# Altium PCB XTIDA-010086.PcbDoc (part 13 of 17) (continued)
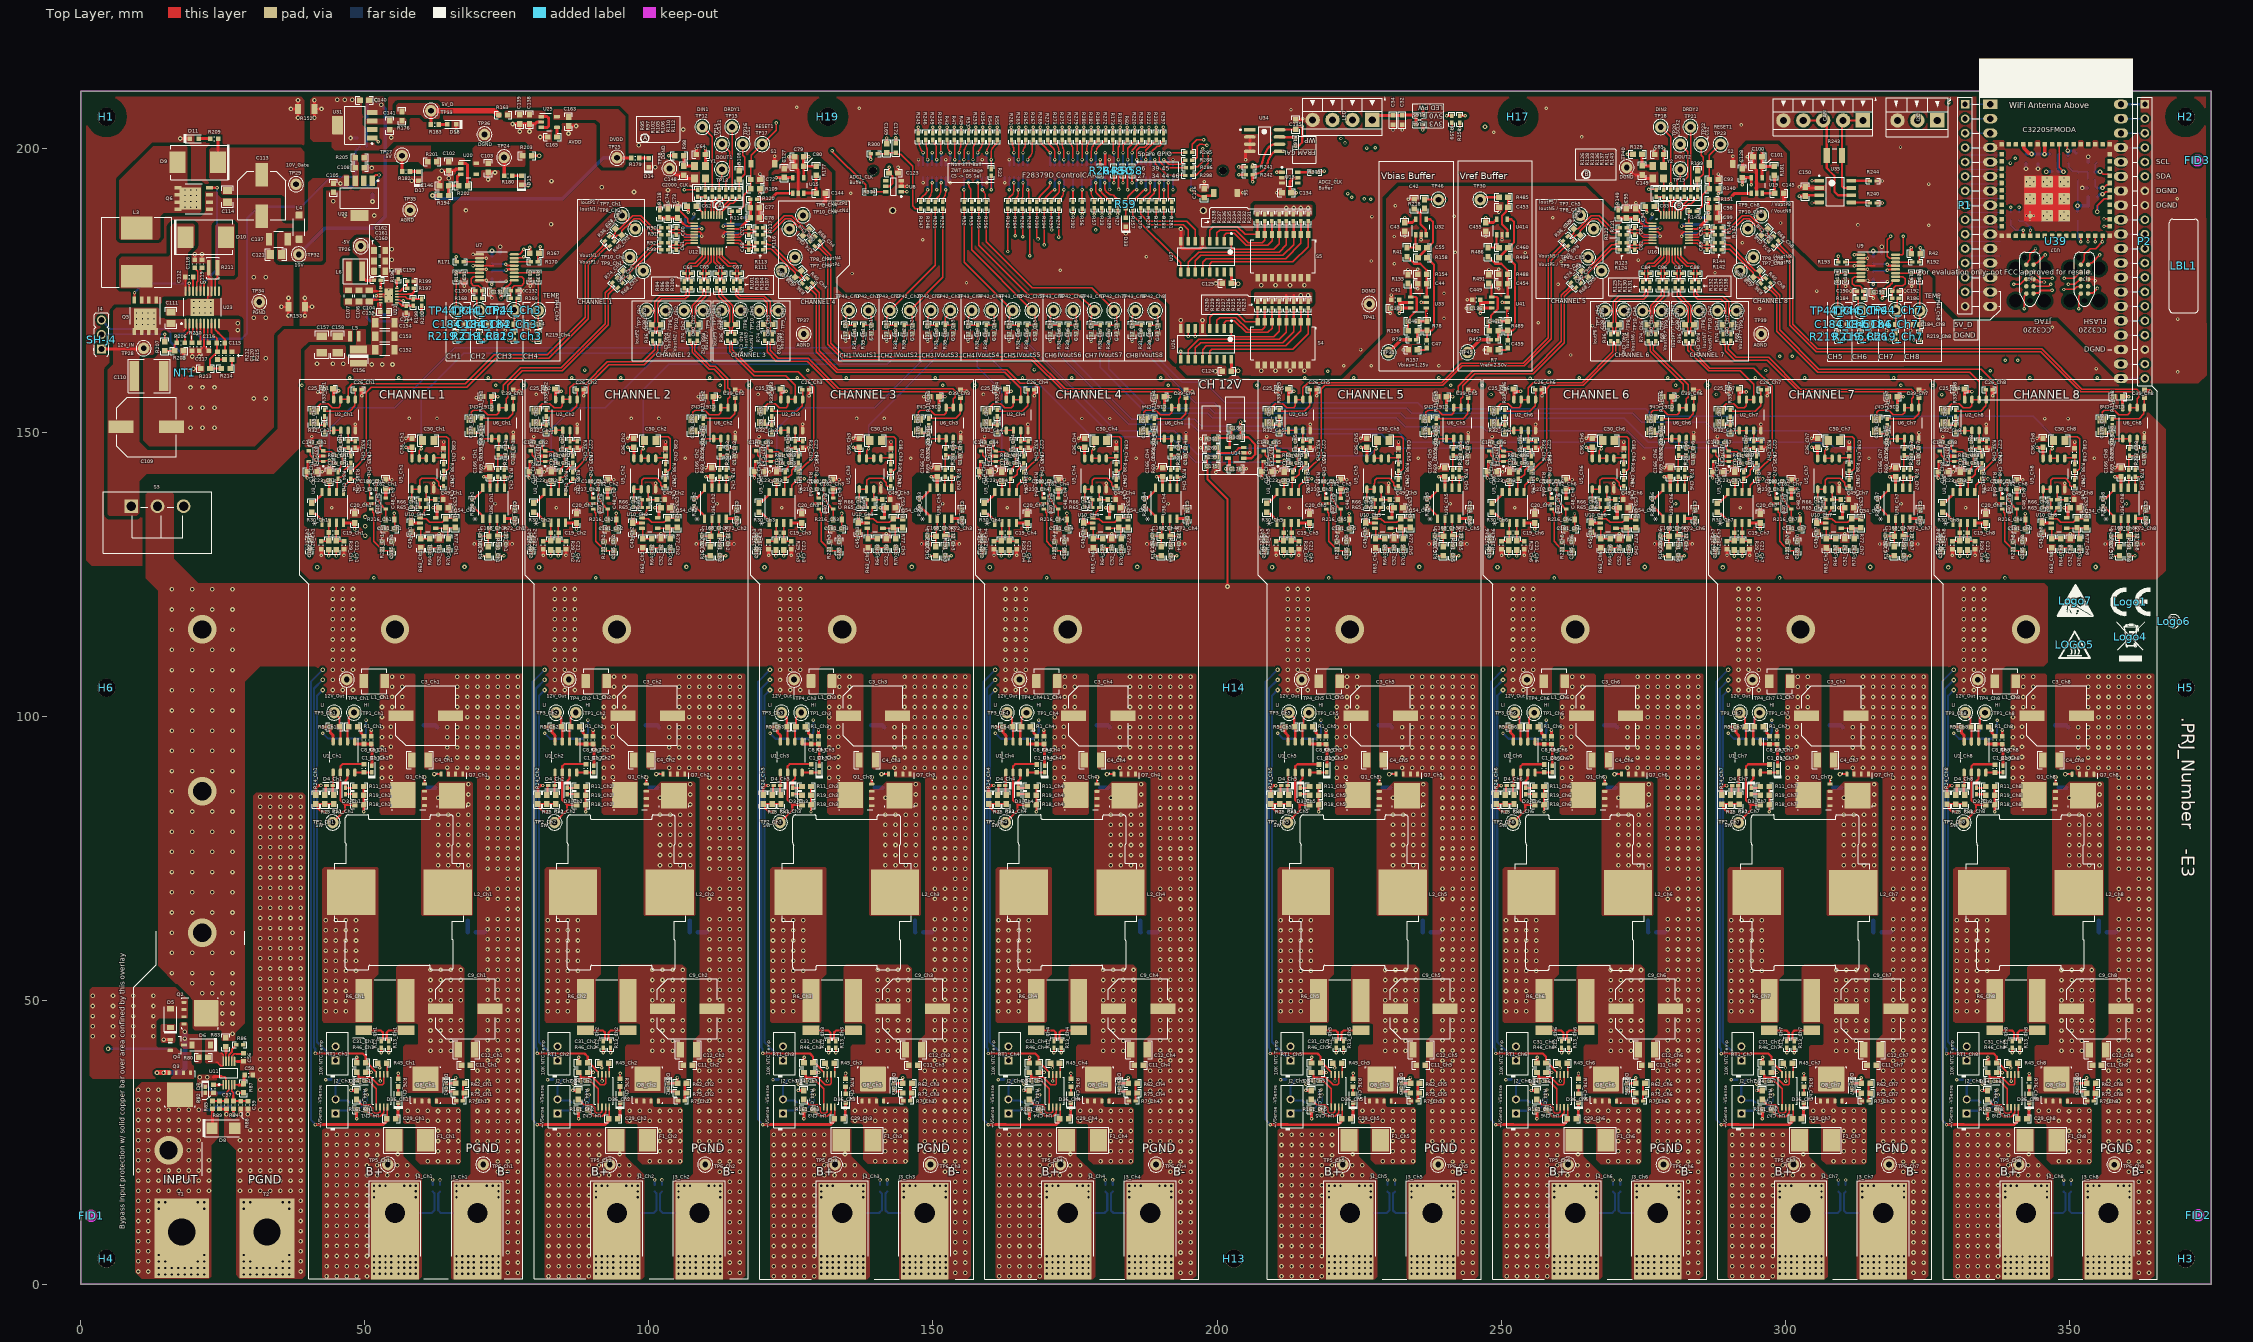
[diagram p0: Top Layer view]
## Nets (pads, with @x,y where several pads share a name; then routed paths per layer and width w, separated by ;. In a path a pad name is that pad's centre, name@x,y a point inside that pad or via, vN(x,y) a via of type N, cw(c..) or ccw(c..) an arc to the next point about the centre after c; other vN are vias at no path point) (continued)
NetR34_Ch4_1: R34_Ch4.1 R35_Ch4.1 U3_Ch4.6 | length 6.5
  Top Layer w0.254: U3_Ch4.6@163.408,139.453 163.549,139.594 163.549,141.482 163.689,141.623 R34_Ch4.1@163.689,141.855 ; R34_Ch4.1@163.689,141.755 R34_Ch4.1@163.689,141.855 ; R35_Ch4.1@165.944,144.547 165.835,144.437 165.835,144.337 164.808,143.31 164.808,142.608 164.228,142.028 163.862,142.028 R34_Ch4.1@163.689,141.855
NetR34_Ch5_1: R34_Ch5.1 R35_Ch5.1 U3_Ch5.6 | length 6.5
  Top Layer w0.254: U3_Ch5.6@213.083,139.451 213.223,139.592 213.223,141.48 213.364,141.621 R34_Ch5.1@213.364,141.853 ; R34_Ch5.1@213.364,141.753 R34_Ch5.1@213.364,141.853 ; R35_Ch5.1@215.619,144.545 215.51,144.435 215.51,144.335 214.483,143.308 214.483,142.606 213.903,142.026 213.537,142.026 R34_Ch5.1@213.364,141.853
NetR34_Ch6_1: R34_Ch6.1 R35_Ch6.1 U3_Ch6.6 | length 6.5
  Top Layer w0.254: U3_Ch6.6@252.758,139.449 252.898,139.59 252.898,141.478 253.039,141.619 R34_Ch6.1@253.039,141.851 ; R34_Ch6.1@253.039,141.751 R34_Ch6.1@253.039,141.851 ; R35_Ch6.1@255.294,144.543 255.185,144.433 255.185,144.333 254.158,143.306 254.158,142.604 253.578,142.024 253.212,142.024 R34_Ch6.1@253.039,141.851
NetR34_Ch7_1: R34_Ch7.1 R35_Ch7.1 U3_Ch7.6 | length 6.5
  Top Layer w0.254: U3_Ch7.6@292.433,139.447 292.573,139.588 292.573,141.476 292.713,141.617 R34_Ch7.1@292.713,141.849 ; R34_Ch7.1@292.713,141.749 R34_Ch7.1@292.713,141.849 ; R35_Ch7.1@294.969,144.541 294.859,144.431 294.859,144.331 293.832,143.304 293.832,142.602 293.252,142.022 292.886,142.022 R34_Ch7.1@292.713,141.849
NetR34_Ch8_1: R34_Ch8.1 R35_Ch8.1 U3_Ch8.6 | length 6.5
  Top Layer w0.254: U3_Ch8.6@332.108,139.445 332.248,139.586 332.248,141.474 332.388,141.615 R34_Ch8.1@332.388,141.847 ; R34_Ch8.1@332.388,141.747 R34_Ch8.1@332.388,141.847 ; R35_Ch8.1@334.644,144.539 334.534,144.429 334.534,144.329 333.507,143.302 333.507,142.6 332.927,142.02 332.561,142.02 R34_Ch8.1@332.388,141.847
NetR40_Ch1_2: R40_Ch1.2 R185_Ch1.1 | length 74.3
  Top Layer w0.254: R185_Ch1.1@47.53,142.961 47.53,143.061 47.911,143.442 48.011,143.442 50.267,145.698 50.267,157.042 51.136,157.912 67.92,157.912 73.025,163.017 82.377,163.017 89.332,169.972 89.332,179.438 92.257,182.364 92.45,182.364 92.835,182.748 R40_Ch1.2@93.079,182.748
NetR40_Ch2_2: R40_Ch2.2 R185_Ch2.1 | length 33.1
  Top Layer w0.254: R185_Ch2.1@86.595,142.959 86.595,143.059 86.976,143.44 87.076,143.44 89.332,145.696 89.332,158.203 92.953,161.823 99.136,161.823 101.525,164.212 101.525,165.172 101.7,165.347 101.7,165.852 R40_Ch2.2@101.873,166.025
NetR40_Ch3_2: R40_Ch3.2 R185_Ch3.1 | length 34.8
  Top Layer w0.254: R40_Ch3.2@115.078,166.025 114.709,165.657 114.709,164.455 118.577,160.586 126.282,160.586 129.007,157.862 129.007,145.694 126.751,143.438 126.651,143.438 126.27,143.057 R185_Ch3.1@126.27,142.957
NetR40_Ch4_2: R40_Ch4.2 R185_Ch4.1 | length 69.9
  Top Layer w0.254: R40_Ch4.2@128.733,176.239 128.733,175.995 129.097,175.631 129.097,175.396 129.94,174.553 129.94,164.344 133.274,161.01 163.002,161.01 165.39,158.623 167.858,158.623 168.681,157.799 168.681,145.692 166.425,143.436 166.325,143.436 165.944,143.055 R185_Ch4.1@165.944,142.955
NetR40_Ch5_2: R40_Ch5.2 R185_Ch5.1 | length 77.8
  Top Layer w0.254: R185_Ch5.1@215.619,142.953 215.619,143.053 216,143.434 216.1,143.434 218.356,145.69 218.356,157.65 218.923,158.217 239.72,158.217 243.175,161.671 254.109,161.671 258.851,166.413 258.851,180.27 260.947,182.365 261.139,182.365 261.514,182.74 R40_Ch5.2@261.778,182.74
NetR40_Ch6_2: R40_Ch6.2 R185_Ch6.1 | length 32.9
  Top Layer w0.254: R185_Ch6.1@255.294,142.951 255.294,143.051 255.675,143.432 255.775,143.432 258.031,145.688 258.031,157.648 258.597,158.215 264.491,158.215 270.204,163.928 270.204,165.649 R40_Ch6.2@270.572,166.017
NetR40_Ch7_2: R40_Ch7.2 R185_Ch7.1 | length 34.9
  Top Layer w0.254: R40_Ch7.2@283.777,166.017 283.604,165.844 283.604,165.36 283.408,165.164 283.408,164.628 286.769,161.268 294.517,161.268 297.706,158.079 297.706,145.686 295.45,143.43 295.35,143.43 294.969,143.049 R185_Ch7.1@294.969,142.949
NetR40_Ch8_2: R40_Ch8.2 R185_Ch8.1 | length 67.8
  Top Layer w0.254: R40_Ch8.2@297.432,176.231 297.432,175.987 297.775,175.644 297.775,175.368 299.034,174.109 299.034,167.984 305.931,161.087 320.848,161.087 320.853,161.082 334.506,161.082 337.381,158.207 337.381,145.684 335.125,143.428 335.025,143.428 334.644,143.047 R185_Ch8.1@334.644,142.947
NetR44_Ch1_1: R44_Ch1.1 U4_Ch1.2 | length 6.5
  Top Layer w0.254: R44_Ch1.1@48.523,32.505 48.541,32.505 49.446,31.6 50.869,31.6 51.384,31.085 51.384,30.389 51.713,30.06 52.353,30.06 52.668,30.375 U4_Ch1.2@52.668,31.186
NetR44_Ch2_1: R44_Ch2.1 U4_Ch2.2 | length 6.5
  Top Layer w0.254: R44_Ch2.1@87.588,32.503 87.606,32.503 88.512,31.598 89.934,31.598 90.449,31.083 90.449,30.387 90.779,30.058 91.418,30.058 91.733,30.373 U4_Ch2.2@91.733,31.184
NetR44_Ch3_1: R44_Ch3.1 U4_Ch3.2 | length 6.5
  Top Layer w0.254: R44_Ch3.1@127.263,32.501 127.281,32.501 128.186,31.596 129.609,31.596 130.124,31.081 130.124,30.385 130.453,30.056 131.093,30.056 131.408,30.371 U4_Ch3.2@131.408,31.182
NetR44_Ch4_1: R44_Ch4.1 U4_Ch4.2 | length 6.5
  Top Layer w0.254: R44_Ch4.1@166.938,32.499 166.956,32.499 167.861,31.594 169.284,31.594 169.799,31.079 169.799,30.383 170.128,30.054 170.768,30.054 171.083,30.369 U4_Ch4.2@171.083,31.18
NetR44_Ch5_1: R44_Ch5.1 U4_Ch5.2 | length 6.5
  Top Layer w0.254: R44_Ch5.1@216.612,32.497 216.63,32.497 217.536,31.592 218.959,31.592 219.474,31.077 219.474,30.381 219.803,30.052 220.442,30.052 220.757,30.367 U4_Ch5.2@220.757,31.178
NetR44_Ch6_1: R44_Ch6.1 U4_Ch6.2 | length 6.5
  Top Layer w0.254: R44_Ch6.1@256.287,32.495 256.305,32.495 257.211,31.59 258.633,31.59 259.149,31.075 259.149,30.379 259.478,30.05 260.117,30.05 260.432,30.365 U4_Ch6.2@260.432,31.176
NetR44_Ch7_1: R44_Ch7.1 U4_Ch7.2 | length 6.5
  Top Layer w0.254: R44_Ch7.1@295.962,32.493 295.98,32.493 296.886,31.588 298.308,31.588 298.823,31.073 298.823,30.377 299.153,30.048 299.792,30.048 300.107,30.363 U4_Ch7.2@300.107,31.174
NetR44_Ch8_1: R44_Ch8.1 U4_Ch8.2 | length 6.5
  Top Layer w0.254: R44_Ch8.1@335.637,32.491 335.655,32.491 336.56,31.586 337.983,31.586 338.498,31.071 338.498,30.375 338.827,30.046 339.467,30.046 339.782,30.361 U4_Ch8.2@339.782,31.172
NetR45_Ch1_1: R45_Ch1.1 U4_Ch1.5 | length 2
  Top Layer w0.254: R45_Ch1.1@53.861,38.923 53.968,38.815 U4_Ch1.5@53.968,36.927
NetR45_Ch2_1: R45_Ch2.1 U4_Ch2.5 | length 2
  Top Layer w0.254: R45_Ch2.1@92.926,38.921 93.033,38.813 U4_Ch2.5@93.033,36.925
NetR45_Ch3_1: R45_Ch3.1 U4_Ch3.5 | length 2
  Top Layer w0.254: R45_Ch3.1@132.601,38.919 132.708,38.811 U4_Ch3.5@132.708,36.923
NetR45_Ch4_1: R45_Ch4.1 U4_Ch4.5 | length 2
  Top Layer w0.254: R45_Ch4.1@172.275,38.917 172.383,38.809 U4_Ch4.5@172.383,36.921
NetR45_Ch5_1: R45_Ch5.1 U4_Ch5.5 | length 2
  Top Layer w0.254: R45_Ch5.1@221.95,38.915 222.057,38.807 U4_Ch5.5@222.057,36.919
NetR45_Ch6_1: R45_Ch6.1 U4_Ch6.5 | length 2
  Top Layer w0.254: R45_Ch6.1@261.625,38.913 261.732,38.805 U4_Ch6.5@261.732,36.917
NetR45_Ch7_1: R45_Ch7.1 U4_Ch7.5 | length 2
  Top Layer w0.254: R45_Ch7.1@301.3,38.911 301.407,38.803 U4_Ch7.5@301.407,36.915
NetR45_Ch8_1: R45_Ch8.1 U4_Ch8.5 | length 2
  Top Layer w0.254: R45_Ch8.1@340.975,38.909 341.082,38.801 U4_Ch8.5@341.082,36.913
NetR63_Ch1_1: R63_Ch1.1 R64_Ch1.2 U10_Ch1.3 | length 3.5
  Top Layer w0.254: U10_Ch1.3@59.712,133.046 59.817,132.941 R63_Ch1.1@59.817,131.209 R64_Ch1.2@61.443,131.209
NetR63_Ch2_1: R63_Ch2.1 R64_Ch2.2 U10_Ch2.3 | length 3.5
  Top Layer w0.254: U10_Ch2.3@98.777,133.044 98.882,132.939 R63_Ch2.1@98.882,131.207 R64_Ch2.2@100.508,131.207
NetR63_Ch3_1: R63_Ch3.1 R64_Ch3.2 U10_Ch3.3 | length 3.5
  Top Layer w0.254: U10_Ch3.3@138.452,133.042 138.557,132.937 R63_Ch3.1@138.557,131.205 R64_Ch3.2@140.183,131.205
NetR63_Ch4_1: R63_Ch4.1 R64_Ch4.2 U10_Ch4.3 | length 3.5
  Top Layer w0.254: U10_Ch4.3@178.127,133.04 178.232,132.935 R63_Ch4.1@178.232,131.203 R64_Ch4.2@179.857,131.203
NetR63_Ch5_1: R63_Ch5.1 R64_Ch5.2 U10_Ch5.3 | length 3.5
  Top Layer w0.254: U10_Ch5.3@227.802,133.038 227.907,132.933 R63_Ch5.1@227.907,131.201 R64_Ch5.2@229.532,131.201
NetR63_Ch6_1: R63_Ch6.1 R64_Ch6.2 U10_Ch6.3 | length 3.5
  Top Layer w0.254: U10_Ch6.3@267.476,133.036 267.581,132.931 R63_Ch6.1@267.581,131.199 R64_Ch6.2@269.207,131.199
NetR63_Ch7_1: R63_Ch7.1 R64_Ch7.2 U10_Ch7.3 | length 3.5
  Top Layer w0.254: U10_Ch7.3@307.151,133.034 307.256,132.929 R63_Ch7.1@307.256,131.197 R64_Ch7.2@308.882,131.197
NetR63_Ch8_1: R63_Ch8.1 R64_Ch8.2 U10_Ch8.3 | length 3.5
  Top Layer w0.254: U10_Ch8.3@346.826,133.032 346.931,132.927 R63_Ch8.1@346.931,131.195 R64_Ch8.2@348.557,131.195
NetR69_Ch1_1: R69_Ch1.1 U36_Ch1.6 | length 2
  Top Layer w0.254: U36_Ch1.6@73.285,140.208 73.35,140.273 73.35,142.073 R69_Ch1.1@73.415,142.138
NetR69_Ch2_1: R69_Ch2.1 U36_Ch2.6 | length 2
  Top Layer w0.254: U36_Ch2.6@112.35,140.206 112.415,140.271 112.415,142.071 R69_Ch2.1@112.48,142.136
NetR69_Ch3_1: R69_Ch3.1 U36_Ch3.6 | length 2
  Top Layer w0.254: U36_Ch3.6@152.025,140.204 152.09,140.269 152.09,142.069 R69_Ch3.1@152.155,142.134
NetR69_Ch4_1: R69_Ch4.1 U36_Ch4.6 | length 2
  Top Layer w0.254: U36_Ch4.6@191.7,140.202 191.765,140.267 191.765,142.067 R69_Ch4.1@191.83,142.132
NetR69_Ch5_1: R69_Ch5.1 U36_Ch5.6 | length 2
  Top Layer w0.254: U36_Ch5.6@241.374,140.2 241.439,140.265 241.439,142.065 R69_Ch5.1@241.504,142.13
NetR69_Ch6_1: R69_Ch6.1 U36_Ch6.6 | length 2
  Top Layer w0.254: U36_Ch6.6@281.049,140.198 281.114,140.263 281.114,142.063 R69_Ch6.1@281.179,142.128
NetR69_Ch7_1: R69_Ch7.1 U36_Ch7.6 | length 2
  Top Layer w0.254: U36_Ch7.6@320.724,140.196 320.789,140.261 320.789,142.061 R69_Ch7.1@320.854,142.126
NetR69_Ch8_1: R69_Ch8.1 U36_Ch8.6 | length 2
  Top Layer w0.254: U36_Ch8.6@360.399,140.194 360.464,140.259 360.464,142.059 R69_Ch8.1@360.529,142.124
NetR73_Ch1_1: R73_Ch1.1 R74_Ch1.2 | length 45.3
  Top Layer w0.254: v2(74.295,157.074) 74.314,157.092 74.314,158.231 77.422,161.339 84.598,161.339 92.325,169.066 92.325,174.492 93.25,175.418 93.25,175.72 93.58,176.05 R74_Ch1.2@93.58,176.295 ; R73_Ch1.1@74.555,143.338 v2(74.555,144.404)
  Signal Layer 2 w0.254: v2(74.295,157.074) 74.555,156.814 v2(74.555,144.404)
NetR73_Ch2_1: R73_Ch2.1 R74_Ch2.2 | length 25.9
  Top Layer w0.254: R74_Ch2.2@107.203,166.05 107.376,165.877 107.376,165.408 107.587,165.197 107.587,164.046 110.597,161.036 111.464,161.036 113.36,159.14 v2(113.36,157.072) ; R73_Ch2.1@113.62,143.336 v2(113.62,144.402)
  Signal Layer 2 w0.254: v2(113.36,157.072) 113.62,156.812 v2(113.62,144.402)
NetR73_Ch3_1: R73_Ch3.1 R74_Ch3.2 | length 51.3
  Top Layer w0.254: R74_Ch3.2@120.428,166.026 120.814,165.639 120.814,164.098 122.454,162.458 127.839,162.458 133.228,157.07 152.425,157.07 ; 152.428,157.067 152.967,157.067 153.035,156.999 v2(153.035,156.796) ; R73_Ch3.1@153.295,143.334 v2(153.295,144.4)
  Signal Layer 2 w0.254: v2@153.035,157.07 153.295,156.81 v2(153.295,144.4)
NetR73_Ch4_1: R73_Ch4.1 R74_Ch4.2 | length 97.1
  Top Layer w0.254: R74_Ch4.2@129.213,182.728 129.458,182.728 129.846,182.34 130.075,182.34 131.49,180.925 131.49,165.45 134.192,162.748 167.391,162.748 173.071,157.068 192.1,157.068 192.103,157.065 192.642,157.065 192.71,156.997 v2(192.71,156.794) ; R73_Ch4.1@192.97,143.332 v2(192.97,144.398)
  Signal Layer 2 w0.254: v2(192.71,156.794) 192.912,156.794 192.97,156.737 v2(192.97,144.398)
NetR73_Ch5_1: R73_Ch5.1 R74_Ch5.2 | length 47.4
  Top Layer w0.254: v2(242.385,157.066) 242.432,157.113 242.432,158.083 245.147,160.799 255.468,160.799 260.631,165.961 260.631,174.063 261.964,175.396 261.964,175.727 262.279,176.042 R74_Ch5.2@262.279,176.287 ; R73_Ch5.1@242.644,143.33 v2(242.644,144.396)
  Signal Layer 2 w0.254: v2(242.385,157.066) 242.644,156.806 v2(242.644,144.396)
NetR73_Ch6_1: R73_Ch6.1 R74_Ch6.2 | length 25.4
  Top Layer w0.254: R74_Ch6.2@275.878,166.056 276.106,165.827 276.106,165.315 276.264,165.157 276.264,164.23 280.322,160.172 282.059,158.435 v2(282.059,157.064) ; R73_Ch6.1@282.319,143.328 v2(282.319,144.394)
  Signal Layer 2 w0.254: v2(282.059,157.064) 282.319,156.804 v2(282.319,144.394)
NetR73_Ch7_1: R73_Ch7.1 R74_Ch7.2 | length 51.2
  Top Layer w0.254: R74_Ch7.2@289.103,166.032 289.301,165.834 289.301,165.371 289.49,165.182 289.49,164.347 291.181,162.655 296.902,162.655 302.496,157.062 321.124,157.062 ; 321.127,157.059 321.666,157.059 321.734,156.991 v2(321.734,156.788) ; R73_Ch7.1@321.994,143.326 v2(321.994,144.392)
  Signal Layer 2 w0.254: v2@321.734,157.062 321.994,156.802 v2(321.994,144.392)
NetR73_Ch8_1: R73_Ch8.1 R74_Ch8.2 | length 94.8
  Top Layer w0.254: R74_Ch8.2@297.913,182.733 298.178,182.733 298.484,182.428 298.812,182.428 300.807,180.433 300.807,168.777 305.47,164.115 344.978,164.115 352.033,157.06 360.799,157.06 ; 360.802,157.057 361.341,157.057 361.409,156.989 v2(361.409,156.786) ; R73_Ch8.1@361.669,143.324 v2(361.669,144.39)
  Signal Layer 2 w0.254: v2(361.409,156.786) 361.669,156.526 v2(361.669,144.39)
NetR82_2: R82.2 U11.1 | length 1.7
  Top Layer w0.254: 24.419,35.08 24.994,35.08 U11.1@25.043,35.13
  Top Layer w0.508: R82.2@23.351,35.08 24.419,35.08
NetR83_1: R83.1 U11.9 | length 2.6
  Top Layer w0.254: U11.9@25.543,39.23 25.543,40.742
  Top Layer w0.508: R83.1@25.527,41.796 25.543,41.779 25.543,40.742
NetR86_1: R86.1 U11.8 | length 3.5
  Top Layer w0.254: U11.8@26.043,39.23 26.043,40.336 26.216,40.509
  Top Layer w0.381: 26.216,40.509 26.597,40.89 26.597,41.371 R86.1@27.365,42.139
NetR97_2: R97.2 Y1.3 | length 2
  Top Layer w0.254: R97.2@109.934,192.65 109.934,194.623 Y1.3@109.944,194.633
NetR102_1: R102.1 U12.21 | length 3.3
  Top Layer w0.254: U12.21@110.929,188.214 110.929,190.535 111.153,190.76 R102.1@111.153,191.45
NetR105_1: R105.1 U12.20 | length 3.6
  Top Layer w0.254: U12.20@111.429,188.214 111.429,190.393 112.347,191.311 R105.1@112.347,191.45
NetR106_1: R106.1 U12.19 | length 3.9
  Top Layer w0.254: U12.19@111.929,188.214 111.929,189.777 113.516,191.364 R106.1@113.516,191.45
NetR110_1: R110.1 U12.18 | length 4.2
  Top Layer w0.254: U12.18@112.429,188.214 112.429,189.089 114.684,191.344 R110.1@114.684,191.45
NetR112_1: R112.1 U12.17 | length 4.8
  Top Layer w0.254: U12.17@112.929,188.214 112.929,188.852 114.313,190.237 114.821,190.237 115.878,191.293 R112.1@115.878,191.45
NetR114_1: R114.1 U12.16 | length 2.2
  Top Layer w0.254: U12.16@114.379,186.764 114.379,188.687 R114.1@114.541,188.849
NetR120_1: R120.1 U15.1 | length 6.7
  Top Layer w0.508: R120.1@119.069,191.008 121.41,191.008 122.434,192.033 U15.1@125.347,192.033
NetR126_1: R126.1 R128.1 U16.23 | length 4.6
  Top Layer w0.254: R126.1@277.287,191.442 R128.1@278.633,191.442 278.628,191.436 U16.23@278.628,188.206
NetR128_2: R128.2 Y2.3 | length 2
  Top Layer w0.254: R128.2@278.633,192.642 278.633,194.615 Y2.3@278.644,194.625
NetR133_1: R133.1 U16.21 | length 3.3
  Top Layer w0.254: U16.21@279.628,188.206 279.628,190.527 279.853,190.752 R133.1@279.853,191.442
NetR136_1: R136.1 U16.20 | length 3.6
  Top Layer w0.254: U16.20@280.128,188.206 280.128,190.385 281.046,191.303 R136.1@281.046,191.442
NetR137_1: R137.1 U16.19 | length 3.9
  Top Layer w0.254: U16.19@280.628,188.206 280.628,189.769 282.215,191.356 R137.1@282.215,191.442
NetR141_1: R141.1 U16.18 | length 4.2
  Top Layer w0.254: U16.18@281.128,188.206 281.128,189.081 283.383,191.336 R141.1@283.383,191.442
NetR143_1: R143.1 U16.17 | length 4.8
  Top Layer w0.254: U16.17@281.628,188.206 281.628,188.844 283.013,190.229 283.521,190.229 284.577,191.285 R143.1@284.577,191.442
NetR145_1: R145.1 U16.16 | length 2.2
  Top Layer w0.254: U16.16@283.078,186.756 283.078,188.679 R145.1@283.24,188.841
NetR151_1: R151.1 U19.1 | length 6.7
  Top Layer w0.508: R151.1@287.768,191 290.109,191 291.133,192.025 U19.1@294.046,192.025
NetR161_Ch1_1: R161_Ch1.1 U4_Ch1.3 | length 4.9
  Top Layer w0.254: R161_Ch1.1@50.154,30.718 51.348,29.524 52.682,29.524 53.318,30.16 U4_Ch1.3@53.318,31.186
NetR161_Ch2_1: R161_Ch2.1 U4_Ch2.3 | length 4.9
  Top Layer w0.254: R161_Ch2.1@89.219,30.716 90.413,29.522 91.747,29.522 92.383,30.158 U4_Ch2.3@92.383,31.184
NetR161_Ch3_1: R161_Ch3.1 U4_Ch3.3 | length 4.9
  Top Layer w0.254: R161_Ch3.1@128.894,30.714 130.088,29.52 131.422,29.52 132.058,30.156 U4_Ch3.3@132.058,31.182
NetR161_Ch4_1: R161_Ch4.1 U4_Ch4.3 | length 4.9
  Top Layer w0.254: R161_Ch4.1@168.569,30.712 169.763,29.518 171.096,29.518 171.733,30.154 U4_Ch4.3@171.733,31.18
NetR161_Ch5_1: R161_Ch5.1 U4_Ch5.3 | length 4.9
  Top Layer w0.254: R161_Ch5.1@218.243,30.71 219.438,29.516 220.771,29.516 221.407,30.152 U4_Ch5.3@221.407,31.178
NetR161_Ch6_1: R161_Ch6.1 U4_Ch6.3 | length 4.9
  Top Layer w0.254: R161_Ch6.1@257.918,30.708 259.113,29.514 260.446,29.514 261.082,30.15 U4_Ch6.3@261.082,31.176
NetR161_Ch7_1: R161_Ch7.1 U4_Ch7.3 | length 4.9
  Top Layer w0.254: R161_Ch7.1@297.593,30.706 298.787,29.512 300.121,29.512 300.757,30.148 U4_Ch7.3@300.757,31.174
NetR161_Ch8_1: R161_Ch8.1 U4_Ch8.3 | length 4.9
  Top Layer w0.254: R161_Ch8.1@337.268,30.704 338.462,29.51 339.796,29.51 340.432,30.146 U4_Ch8.3@340.432,31.172
NetR162_2: R162.2 U34.7 | length 3
  Top Layer w0.381: U34.7@211.007,201.945 211.049,201.902 213.66,201.902 213.843,201.719 R162.2@213.843,201.619
NetR170_1: R170.1 U7.14 | length 2.9
  Top Layer w0.254: U7.14@76.288,179.962 R170.1@79.217,179.962
NetR171_1: R171.1 U7.3 | length 2.8
  Top Layer w0.254: R171.1@67.387,179.962 U7.3@70.188,179.962
NetR192_1: R192.1 U9.14 | length 2.9
  Top Layer w0.254: U9.14@319.454,179.932 R192.1@322.382,179.932
NetR193_1: R193.1 U9.3 | length 2.8
  Top Layer w0.254: R193.1@310.552,179.932 U9.3@313.354,179.932
NetR195_2: R195.2 U21.2 | length 2.3
  Top Layer w0.254: U21.2@55.604,173.29 56.167,173.29 56.356,173.101 v2(56.769,173.101)
  Bottom Layer w0.381: R195.2@55.804,173.291 55.994,173.101 v2(56.769,173.101)
NetR196_2: R196.2 U21.7 | length 1.4
  Top Layer w0.381: U21.7@52.797,175.297 R196.2@52.797,176.708
NetR197_1: R197.1 R199.2 U21.5 | length 3.3
  Top Layer w0.254: U21.5@55.604,174.79 56.223,174.79 56.49,175.057
  Top Layer w0.381: 56.49,175.057 56.718,175.285 R197.1@57.439,175.285 R199.2@57.439,176.555
NetR197_2: R197.2 U21.4 | length 3.8
  Top Layer w0.254: U21.4@55.604,174.29 57.607,174.29
  Top Layer w0.381: 57.607,174.29 58.289,174.29 58.639,174.641 R197.2@58.639,175.285
NetR206_2: R206.2 U23.2 | length 3.7
  Top Layer w0.305: R206.2@18.315,165.727 18.315,166.966 19.099,167.75 U23.2@19.099,169.1
NetR210_2: R210.2 U23.3 | length 3.9
  Top Layer w0.305: R210.2@19.591,165.696 19.749,165.854 19.47,165.854 19.47,167.407 19.749,167.686 U23.3@19.749,169.1
NetR214_2: R214.2 R215.1 | length 1.7
  Top Layer w0.381: R214.2@26.289,161.181 26.607,161.498 R215.1@26.607,162.772
NetR240_1: R240.1 U35.5 | length 3.3
  Top Layer w0.381: U35.5@311.664,190.424 314.8,190.424 R240.1@314.901,190.322
NetR244_2: R244.2 U35.8 | length 3.3
  Top Layer w0.381: U35.8@311.664,194.234 314.859,194.234 R244.2@314.901,194.192
NetR260_1: R260.1 R299.2 U14.3 | length 6.9
  Top Layer w0.381: R299.2@199.817,145.606 199.842,145.606 200.289,146.053 200.289,146.397 ; R260.1@199.817,147.221 199.842,147.221 200.289,146.774 200.289,146.397 ; U14.3@204.685,147.282 204.485,147.282 204.375,147.173 203.84,147.173 203.002,146.334 200.352,146.334 200.289,146.397
NetR290_Ch1_1: R290_Ch1.1 U36_Ch1.1 | length 3.1
  Top Layer w0.381: R290_Ch1.1@68.891,136.909 68.891,136.809 69,136.7 69.256,136.7 70.745,135.211 U36_Ch1.1@70.745,134.76
NetR290_Ch1_2: R290_Ch1.2 U36_Ch1.8 | length 2.9
  Top Layer w0.381: R290_Ch1.2@68.936,138.255 69,138.319 69.306,138.319 70.745,139.757 U36_Ch1.8@70.745,140.208
NetR290_Ch2_1: R290_Ch2.1 U36_Ch2.1 | length 3.1
  Top Layer w0.381: R290_Ch2.1@107.956,136.907 107.956,136.807 108.065,136.698 108.321,136.698 109.81,135.209 U36_Ch2.1@109.81,134.758
NetR290_Ch2_2: R290_Ch2.2 U36_Ch2.8 | length 2.9
  Top Layer w0.381: R290_Ch2.2@108.001,138.253 108.065,138.317 108.372,138.317 109.81,139.755 U36_Ch2.8@109.81,140.206
NetR290_Ch3_1: R290_Ch3.1 U36_Ch3.1 | length 3.1
  Top Layer w0.381: R290_Ch3.1@147.631,136.905 147.631,136.805 147.74,136.696 147.996,136.696 149.485,135.207 U36_Ch3.1@149.485,134.756
NetR290_Ch3_2: R290_Ch3.2 U36_Ch3.8 | length 2.9
  Top Layer w0.381: R290_Ch3.2@147.676,138.251 147.74,138.315 148.046,138.315 149.485,139.753 U36_Ch3.8@149.485,140.204
NetR290_Ch4_1: R290_Ch4.1 U36_Ch4.1 | length 3.1
  Top Layer w0.381: R290_Ch4.1@187.305,136.903 187.305,136.803 187.415,136.694 187.67,136.694 189.16,135.205 U36_Ch4.1@189.16,134.754
NetR290_Ch4_2: R290_Ch4.2 U36_Ch4.8 | length 2.9
  Top Layer w0.381: R290_Ch4.2@187.351,138.249 187.415,138.313 187.721,138.313 189.16,139.751 U36_Ch4.8@189.16,140.202
NetR290_Ch5_1: R290_Ch5.1 U36_Ch5.1 | length 3.1
  Top Layer w0.381: R290_Ch5.1@236.98,136.901 236.98,136.801 237.09,136.692 237.345,136.692 238.834,135.203 U36_Ch5.1@238.834,134.752
NetR290_Ch5_2: R290_Ch5.2 U36_Ch5.8 | length 2.9
  Top Layer w0.381: R290_Ch5.2@237.026,138.247 237.09,138.311 237.396,138.311 238.834,139.749 U36_Ch5.8@238.834,140.2
NetR290_Ch6_1: R290_Ch6.1 U36_Ch6.1 | length 3.1
  Top Layer w0.381: R290_Ch6.1@276.655,136.899 276.655,136.799 276.764,136.69 277.02,136.69 278.509,135.201 U36_Ch6.1@278.509,134.75
NetR290_Ch6_2: R290_Ch6.2 U36_Ch6.8 | length 2.9
  Top Layer w0.381: R290_Ch6.2@276.7,138.245 276.764,138.309 277.071,138.309 278.509,139.747 U36_Ch6.8@278.509,140.198
NetR290_Ch7_1: R290_Ch7.1 U36_Ch7.1 | length 3.1
  Top Layer w0.381: R290_Ch7.1@316.33,136.897 316.33,136.797 316.439,136.688 316.695,136.688 318.184,135.199 U36_Ch7.1@318.184,134.748
NetR290_Ch7_2: R290_Ch7.2 U36_Ch7.8 | length 2.9
  Top Layer w0.381: R290_Ch7.2@316.375,138.243 316.439,138.307 316.746,138.307 318.184,139.745 U36_Ch7.8@318.184,140.196
NetR290_Ch8_1: R290_Ch8.1 U36_Ch8.1 | length 3.1
  Top Layer w0.381: R290_Ch8.1@356.005,136.895 356.005,136.795 356.114,136.686 356.37,136.686 357.859,135.197 U36_Ch8.1@357.859,134.746
NetR290_Ch8_2: R290_Ch8.2 U36_Ch8.8 | length 2.9
  Top Layer w0.381: R290_Ch8.2@356.05,138.241 356.114,138.305 356.42,138.305 357.859,139.743 U36_Ch8.8@357.859,140.194
NetR304_1: R304.1 U8.6 | length 2.2
  Top Layer w0.254: R304.1@139.475,192.302 U8.6@141.678,192.302
NetR305_1: R305.1 U13.6 | length 2.4
  Top Layer w0.381: U13.6@214.192,195.745 R305.1@216.618,195.745
NetR310_1: R310.1 U17.4 | length 4.5
  Top Layer w0.254: U17.4@341.928,184.542 v2(341.928,185.532)
  Bottom Layer w0.254: R310.1@339.682,187.346 339.682,186.419 340.569,185.532 v2(341.928,185.532)
NetR311_1: R311.1 U17.5 | length 4.1
  Top Layer w0.254: U17.5@343.198,184.542 v2(343.198,185.532)
  Bottom Layer w0.254: R311.1@341.161,187.346 341.161,187.246 341.334,187.073 342.111,187.073 343.13,186.054 343.13,185.6 v2(343.198,185.532)
NetR312_1: R312.1 R313.1 R314.1 R315.1 | length 6
  Bottom Layer w0.254: R313.1@349.773,197.368 349.946,197.195 349.946,196.58 350.657,195.869 351.446,195.869 351.619,195.696 R312.1@351.619,195.629 ; R312.1@351.619,195.596 R312.1@351.619,195.629 ; R315.1@353.258,194.478 R314.1@353.258,195.802 351.792,195.802 R312.1@351.619,195.629
NetR313_2: R313.2 R318.2 U17.34 | length 3.8
  Top Layer w0.254: U17.34@349.528,200.622 349.666,200.484 349.666,199.652 v1(349.773,199.545)
  Bottom Layer w0.541: R313.2@349.773,198.568 v1(349.773,199.545) 349.825,199.493 350.823,199.493 351.014,199.302 351.039,199.302 351.244,199.097 R318.2@351.244,199.072
NetR314_2: R314.2 R317.2 U17.24 | length 4.9
  Top Layer w0.254: v1(355.435,195.802) 355.586,195.802 356.003,195.385 356.874,195.385 U17.24@357.147,195.112
  Bottom Layer w0.254: R314.2@354.458,195.802 354.631,195.975 354.631,197.141 R317.2@354.962,197.472
  Bottom Layer w0.541: R314.2@354.458,195.802 v1(355.435,195.802)
NetR315_2: R315.2 R316.2 U17.23 | length 4.3
  Top Layer w0.254: v1(355.876,192.974) 356.028,192.974 356.623,193.569 356.874,193.569 U17.23@357.147,193.842
  Bottom Layer w0.254: R315.2@354.458,194.478 354.631,194.305 354.631,193.243 R316.2@354.9,192.974
  Bottom Layer w0.541: R316.2@354.9,192.974 v1(355.876,192.974)
"OVP: 14.4V": C57.2 R85.1 R89.2 U11.3 | length 5.5
  Top Layer w0.254: 25.756,33.833 26.043,34.121 U11.3@26.043,35.13
  Top Layer w0.381: R85.1@23.166,32.241 R89.2@24.398,32.241 C57.2@25.629,32.241 25.629,33.707 25.756,33.833
PDrive_Ch1: R7_Ch1.1 R62_Ch1.1 R75_Ch1.2 | length 3.5
  Top Layer w0.381: R7_Ch1.1@67.249,32.258 67.249,35.384 R62_Ch1.1@67.517,35.652
PDrive_Ch2: R7_Ch2.1 R62_Ch2.1 R75_Ch2.2 | length 3.5
  Top Layer w0.381: R7_Ch2.1@106.315,32.256 106.315,35.382 R62_Ch2.1@106.582,35.65
PDrive_Ch3: R7_Ch3.1 R62_Ch3.1 R75_Ch3.2 | length 3.5
  Top Layer w0.381: R7_Ch3.1@145.989,32.254 145.989,35.38 R62_Ch3.1@146.257,35.648
PDrive_Ch4: R7_Ch4.1 R62_Ch4.1 R75_Ch4.2 | length 3.5
  Top Layer w0.381: R7_Ch4.1@185.664,32.252 185.664,35.378 R62_Ch4.1@185.932,35.646
PDrive_Ch5: R7_Ch5.1 R62_Ch5.1 R75_Ch5.2 | length 3.5
  Top Layer w0.381: R7_Ch5.1@235.339,32.25 235.339,35.376 R62_Ch5.1@235.607,35.644
PDrive_Ch6: R7_Ch6.1 R62_Ch6.1 R75_Ch6.2 | length 3.5
  Top Layer w0.381: R7_Ch6.1@275.014,32.248 275.014,35.374 R62_Ch6.1@275.281,35.642
PDrive_Ch7: R7_Ch7.1 R62_Ch7.1 R75_Ch7.2 | length 3.5
  Top Layer w0.381: R7_Ch7.1@314.689,32.246 314.689,35.372 R62_Ch7.1@314.956,35.64
PDrive_Ch8: R7_Ch8.1 R62_Ch8.1 R75_Ch8.2 | length 3.5
  Top Layer w0.381: R7_Ch8.1@354.363,32.244 354.363,35.37 R62_Ch8.1@354.631,35.638
PG_-5V: R198.1 R200.1 U21.3 | length 4.5
  Top Layer w0.254: U21.3@55.604,173.79 57.088,173.79 57.457,173.422 57.861,173.422
  Top Layer w0.381: 57.861,173.422 R198.1@58.547,173.422 R200.1@59.995,173.422